# Altium PCB KS_DAP_WL.PcbDoc
Units mil, origin at the board's own origin, x right, y up, seen from the top; angles counter-clockwise.
Board outline 1739.76 x 1102.32 mil, 2 copper layers (Top Layer, Bottom Layer), stack 61.756 mil thick; 35 components, 47 nets, 173 pads, 177 vias.
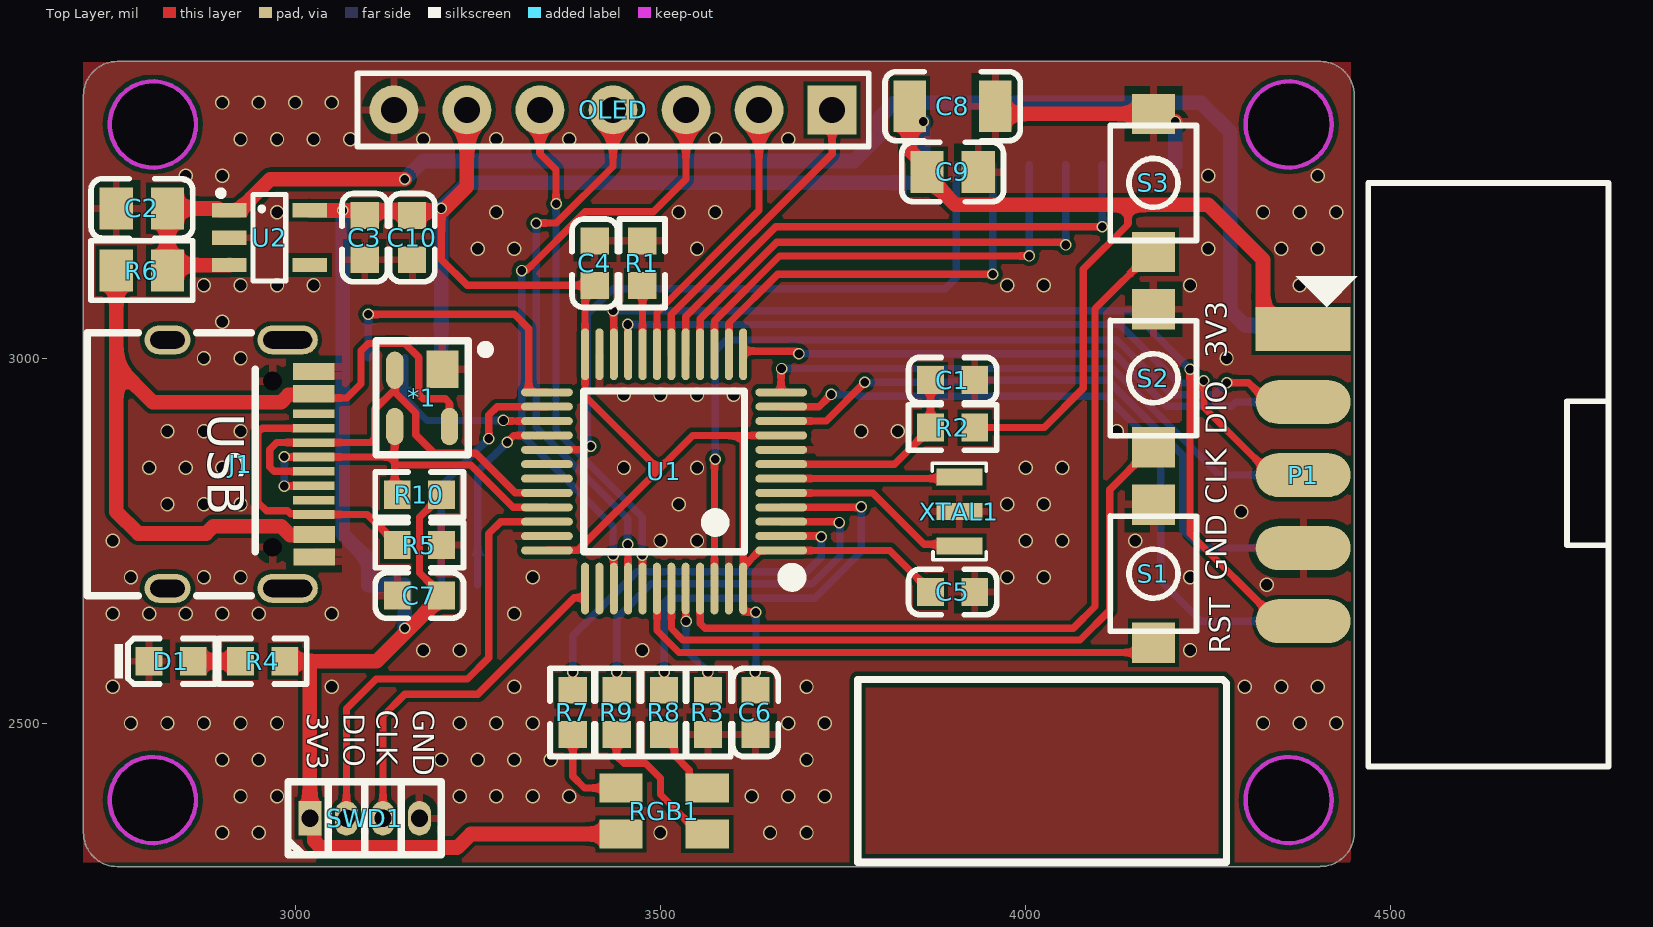
[diagram p0: Top Layer view]
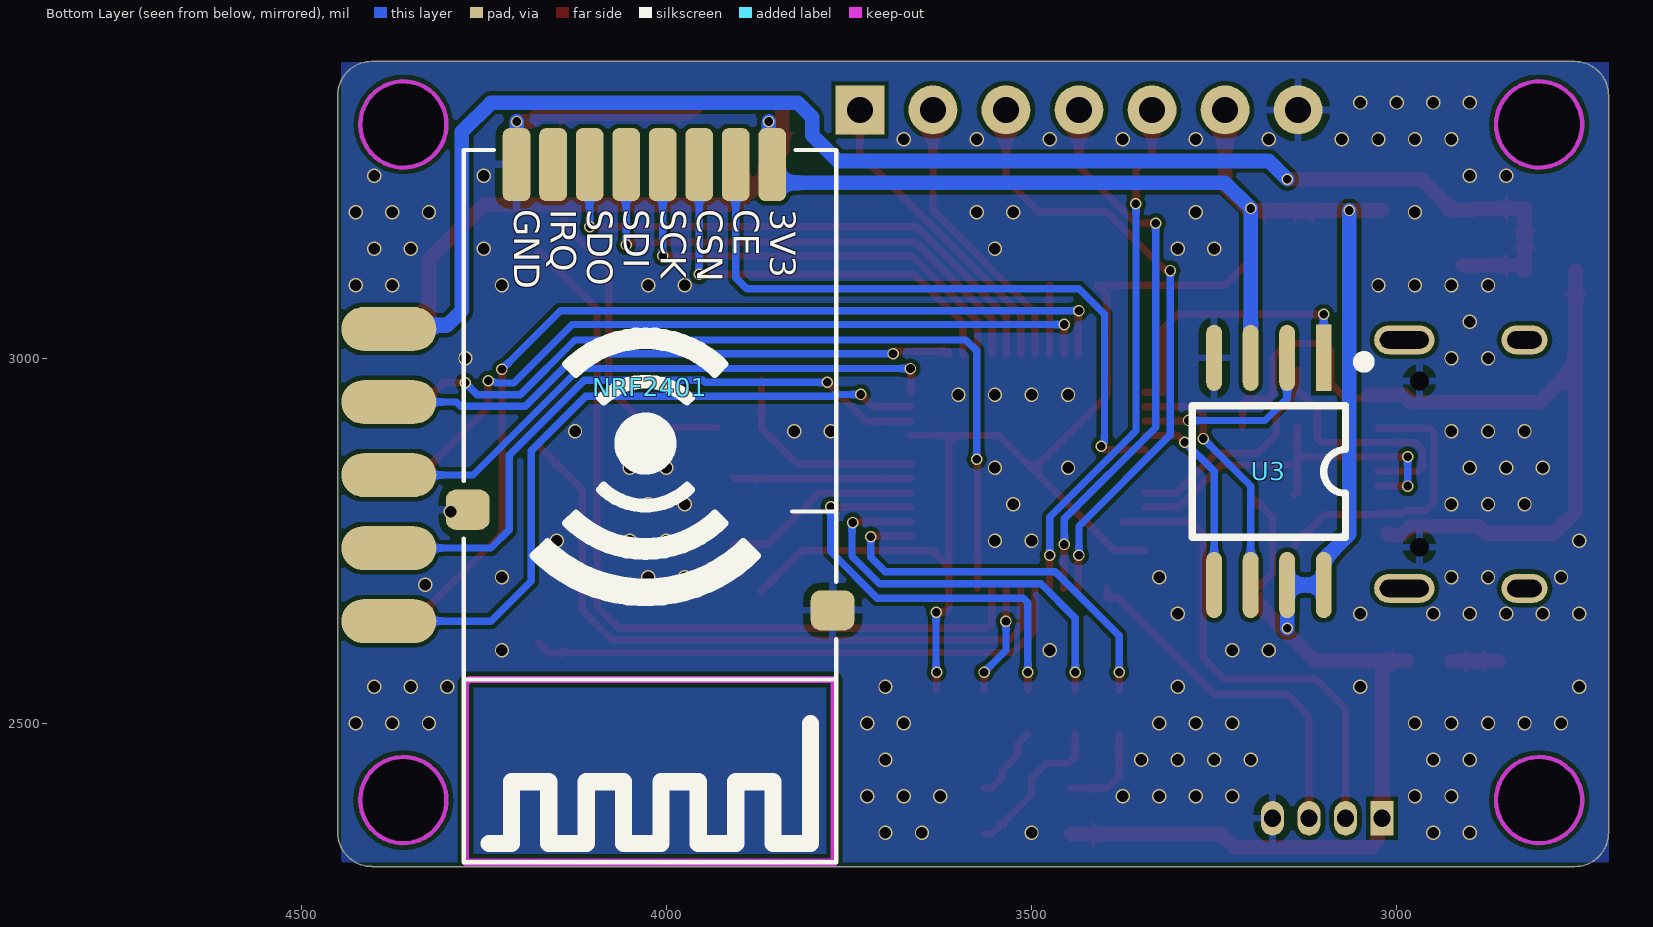
[diagram p1: Bottom Layer view, seen from below]

## Layer stack, top to bottom
Top Solder: solder mask 1, SM-001, Dk 4
Top Layer: signal copper 1.378
Dielectric 1: core 59, Core-043, Dk 4.3
Bottom Layer: signal copper 1.378
Bottom Solder: solder mask 1, SM-001, Dk 4

## Board outline
2710,2350 ccw(c2756.08,2350) 2756.08,2303.92 4403.53,2303.92 4403.68,2304.08 ccw(c4403.68,2350.16) 4449.76,2350.16 4449.76,3360.16 ccw(c4403.68,3360.16) 4403.68,3406.24 2756.08,3406.24 ccw(c2756.08,3360.16) 2710,3360.16
cut-out: 2805,3260.94 cw(c2805,3320) 2745.94,3320 cw(c2805,3320) 2805,3379.06 cw(c2805,3320) 2864.06,3320 cw(c2805,3320)
cut-out: 4300.94,3320 ccw(c4360,3320) 4360,3260.94 ccw(c4360,3320) 4419.06,3320 ccw(c4360,3320) 4360,3379.06 ccw(c4360,3320)
cut-out: 4300.94,2395 ccw(c4360,2395) 4360,2335.94 ccw(c4360,2395) 4419.06,2395 ccw(c4360,2395) 4360,2454.06 ccw(c4360,2395)
cut-out: 2745.94,2395 ccw(c2805,2395) 2805,2335.94 ccw(c2805,2395) 2864.06,2395 ccw(c2805,2395) 2805,2454.06 ccw(c2805,2395)

## Design rules (kind name [scope] priority, off if disabled: settings)
Clearance [All] p1: gap=6 ignorepadtopadclearanceinfootprint=FALSE
PolygonConnect [All] p1: connectstyle=Relief reliefconductorwidth=10 reliefentries=4 polygonreliefangle="90 Angle" airgapwidth=10
RoutingVias [All] p1: holewidth=11.81 width=15.75 viastyle="Through Hole" minholewidth=11.81 minwidth=15.75 maxholewidth=11.81 maxwidth=15.75
SolderMaskExpansion [All] p1: expansion=4 istentingtop=FALSE
Width [All] p1: maxlimit=20 minlimit=6 preferedwidth=20
30 further rules are at their usual default settings.

## Components (designator, comment, footprint, x,y, rotation, side; value= is the part's Value field where it differs from the comment)
*1 "PRTR5V0U2X" LC-SOT-143 3173.62,2945.73 r90 top
C1 "106" 0603_C 3900,2970 r180 top
C2 "106" 0805_C 2790,3205 r0 top
C3 "106" 0603_C 3095,3165 r90 top value=104
C4 "106" 0603_C 3410,3130 r270 top value=104
C5 "106" 0603_C 3900,2680 r180 top value=104
C6 "106" 0603_C 3630,2515 r90 top value=104
C7 "106" 0603_C 3170,2675 r0 top value=104
C8 "106" 1206_C 3900,3345 r0 top
C9 "106" 0805_C 3900,3255 r0 top
C10 "106" 0603_C 3160,3165 r90 top
D1 "白灯 0603" 0603_LED_S1 2830,2585 r0 top
J1 "USB type C" "USB Type-C-16Pin_A" 2825,2854.92 r270 top
NRF2401 "nRF24L01P_PA_LNA" NRF24L01P_PA_LNA 4205,3265 r270 bottom
OLED "Header 7" HDR2.54-LI-7P 3435,3340 r180 top
P1 "Header 5X2" "300S-2*5P 2.54MM_2" 4380,3040 r0 top
R1 "Res2" 0603_R 3475,3130 r90 top value=10K
R2 "Res2" 0603_R 3900,2905 r0 top value=10K
R3 "Res2" 0603_R 3565,2515 r270 top value=10K
R4 "Res2" 0603_R 2955.31,2585 r0 top value=1K
R5 "10K" 0603_R 3170,2744.03 r0 top
R6 "1A保险丝" 0805_L 2790,3120 r180 top value=1000MA
R7 "1K" 0603_R 3380,2515 r270 top value=300R
R8 "1K" 0603_R 3505,2515 r270 top value=300R
R9 "1K" 0603_R 3440,2515 r90 top value=300R
R10 "Res2" LC-0603_R 3170,2813.06 r180 top value=1.5K
RGB1 "RGB_LED" LED_3528_RGB 3505,2380 r180 top
S1 "RST" KEY_1 4175,2705 r270 top
S2 "RST" KEY_1 4175,2972.5 r270 top
S3 "RST" KEY_1 4175,3240 r270 top
SWD1 "Header 4" HDR1.27-LI-4P 3095,2370 r0 top
U1 "STM32F103C" "LQFP48 7X7_N" 3505,2845 r90 top
U2 "MIC5219" SOT23-5N 2965,3165 r270 top
U3 "W25QXX" SOP8W_N 3175,2845 r270 bottom
XTAL1 "8M" XTAL-3215-3P 3909.12,2790 r90 top

## Footprints (in the part's own frame and the unit in brackets; to place one, negate y for a bottom-side part, rotate by r counter-clockwise, add the part's x,y. Pads: shape width x height; smd on the part's side, far side on the other; paste and mask are expansions set on the pad)
"300S-2*5P 2.54MM_2" [mil] "2.54mm 2*5P 直 简牛"
  rect 130x60 smd: 1(0,0)
  oval 130x60 smd far side: 2(0,0) 4(0,-100) 6(0,-200) 8(0,-300) 10(0,-400)
  oval 130x60 smd: 3(0,-100) 5(0,-200) 7(0,-300) 9(0,-400)
  silkscreen extent -10,-599 418,200, body extent -50,-604 426,204, height 169
0603_C [mm]
  rect 0.93x0.98 smd: 1(-0.77,0) 2(0.77,0)
  silkscreen extent -1.53,-0.79 1.54,0.79, body extent -0.8,-0.4 0.8,0.4, height 0.3
0603_LED_S1 [mm]
  rect 0.93x0.98 smd: A(0.77,0) K(-0.77,0)
  silkscreen extent -1.97,-0.79 1.54,0.79, body extent -0.8,-0.4 0.8,0.4, height 0.6
0603_R [mm]
  rect 0.93x0.98 smd: 1(-0.77,0) 2(0.77,0)
  silkscreen extent -1.53,-0.79 1.54,0.79, body extent -0.85,-0.4 0.85,0.4, height 0.56
0805_C [mm]
  rect 1.16x1.47 smd: 1(-0.89,0) 2(0.89,0)
  silkscreen extent -1.77,-1.04 1.77,1.04, body extent -1,-0.62 1,0.63, height 0.77
0805_L [mm]
  rect 1.16x1.47 smd: 1(-0.89,0) 2(0.89,0)
  silkscreen extent -1.77,-1.04 1.77,1.03, body extent -1.02,-0.64 1.03,0.64, height 0.6
1206_C [mm]
  rect 1.13x1.8 smd: 1(-1.49,0) 2(1.49,0)
  silkscreen extent -2.36,-1.2 2.35,1.2, body extent -1.6,-0.81 1.6,0.79, height 1
HDR1.27-LI-4P [mm] "直插，脚距：1.27mm"
  rect 0.8x1.2 hole 0.6: 1(-1.905,0)
  oval 0.8x1.2 hole 0.6: 2(-0.635,0) 3(0.635,0) 4(1.905,0)
  silkscreen extent -2.67,-1.27 2.67,1.27, body extent -2.54,-1.24 2.54,1.16, height 4.48
HDR2.54-LI-7P [mm] "排针，8脚"
  rect 1.7x1.7 hole 0.9: 1(-7.62,0)
  round 1.7 hole 0.9: 2(-5.08,0) 3(-2.54,0) 4(0,0) 5(2.54,0) 6(5.08,0) 7(7.62,0)
  silkscreen extent -8.89,-1.27 8.89,1.27, body extent -8.89,-1.27 8.89,1.27, height 8.5
KEY_1 [mm]
  rect 1.4x1.5 smd: 1(-2.4,0) 2(2.4,0)
  silkscreen extent -2.01,-1.5 2,1.5, body extent -2.11,-1.28 1.89,1.22, height 1.6
LC-0603_R [mm]
  rect 0.93x0.98 smd: 1(-0.77,0) 2(0.77,0)
  silkscreen extent -1.53,-0.79 1.54,0.79, body extent -0.85,-0.4 0.85,0.4, height 0.56
LC-SOT-143 [mm]
  rect 1.3x1.1 smd: 1(1,-0.71)
  oval 1.3x0.6 smd: 2(0.96,0.95) 3(-1,0.95) 4(-1,-0.95)
  silkscreen extent -1.98,-2.35 1.98,1.6, body extent -1.23,-1.46 1.19,1.46, height 1
LED_3528_RGB [mm]
  rect 1.5x1 smd: 1(1.5,-0.8) 2(-1.5,-0.8) 3(-1.5,0.8) 4(1.5,0.8)
  body extent -1.79,-1.34 1.71,1.46, height 1.9
"LQFP48 7X7_N" [mm] "48脚，体宽7x7mm，脚距0.5mm"
  oval 0.279x1.8 smd: 1(-2.75,-4.075) 2(-2.25,-4.075) 3(-1.75,-4.075) 4(-1.25,-4.075) 5(-0.75,-4.075) 6(-0.25,-4.075) 7(0.25,-4.075) 8(0.75,-4.075) 9(1.25,-4.075) 10(1.75,-4.075) 11(2.25,-4.075) 12(2.75,-4.075) 25(2.75,4.075) 26(2.25,4.075) 27(1.75,4.075) 28(1.25,4.075) 29(0.75,4.075) 30(0.25,4.075) 31(-0.25,4.075) 32(-0.75,4.075) 33(-1.25,4.075) 34(-1.75,4.075) 35(-2.25,4.075) 36(-2.75,4.075)
  oval 1.8x0.279 smd: 13(4.075,-2.75) 14(4.075,-2.25) 15(4.075,-1.75) 16(4.075,-1.25) 17(4.075,-0.75) 18(4.075,-0.25) 19(4.075,0.25) 20(4.075,0.75) 21(4.075,1.25) 22(4.075,1.75) 23(4.075,2.25) 24(4.075,2.75) 37(-4.075,2.75) 38(-4.075,2.25) 39(-4.075,1.75) 40(-4.075,1.25) 41(-4.075,0.75) 42(-4.075,0.25) 43(-4.075,-0.25) 44(-4.075,-0.75) 45(-4.075,-1.25) 46(-4.075,-1.75) 47(-4.075,-2.25) 48(-4.075,-2.75)
  silkscreen extent -3.93,-4.69 2.79,2.79, body extent -4.5,-4.5 4.5,4.5, height 1.45
NRF24L01P_PA_LNA [mil]
  rrect50% 100x38 smd: 1(0,350) 2(0,300) 3(0,250) 4(0,200) 5(0,150) 6(0,100) 7(0,50) 8(0,0)
  rrect50% 55x60 smd: 8(472.44,-66.93) 8(610.24,432.68)
  silkscreen extent -20,-73 955,437, body extent -15,-68 950,432, height 46
SOP8W_N [mm] "5.3*8.3*1.8mm（长宽高）"
  rect 2.3x0.55 smd: 1(-3.95,1.905)
  oval 2.3x0.55 smd: 2(-3.95,0.635) 3(-3.95,-0.635) 4(-3.95,-1.905) 5(3.95,-1.905) 6(3.95,-0.635) 7(3.95,0.635) 8(3.95,1.905)
  silkscreen extent -3.94,-2.67 2.29,3.43, body extent -3.94,-2.64 3.94,2.64, height 1.9
SOT23-5N [mm] "3x1.6x1.1mm(长宽高)"
  rect 0.5x1.2 smd: 1(-0.95,-1.4) 2(0,-1.4) 3(0.95,-1.4) 4(0.95,1.4) 5(-0.95,1.4)
  silkscreen extent -1.63,-1.78 1.5,0.56, body extent -1.5,-1.4 1.5,1.4, height 1.15
"USB Type-C-16Pin_A" [mm]
  round 0 hole 0.65: 0(-2.89,3.65) 0(2.89,3.65)
  oval 1x2.1 hole 0.6 slot 1.7 at 90 deg: 1(-4.32,4.18) 1(4.32,4.18)
  oval 1x1.6 hole 0.6 slot 1.2 at 90 deg: 1(-4.32,0) 1(4.32,0)
  rect 0.3x1.45 smd: A1(-3.375,5.092) A4(-2.6,5.092) A5(-1.25,5.092) A6(-0.25,5.092) A7(0.25,5.092) A8(-1.75,5.092) A9(2.6,5.1) A12(3.375,5.1) B1(3.075,5.1) B4(2.3,5.1) B5(1.75,5.092) B6(0.75,5.092) B7(-0.75,5.092) B8(1.25,5.092) B9(-2.3,5.092) B12(-3.075,5.092)
  silkscreen extent -4.57,-2.79 4.57,3.05, body extent -4.47,-2.6 4.47,5.3, height 3.25
XTAL-3215-3P [mm]
  rect 0.6x1.6 smd: 1(-1.2,0) 2(0,0) 3(1.2,0)
  silkscreen extent -1.68,-0.94 1.68,0.94, body extent -1.6,-0.74 1.6,0.76, height 0.9

## Part data
C1 C2 C3 C4 C5 C6 C7 C8 C9 C10: library part C_1
D1: library part "0603 白灯", "发光二极管", Package=0603, SuppliersPartNumber=C2290, ComponentLink1Description=供应商链接, ComponentLink1URL=http://www.szlcsc.com/product/details_2663.html, Supplier=LC
J1: library part USB_C
NRF2401: "Module"
OLED: "Header, 7-Pin", LatestRevisionDate=17-Jul-2002, LatestRevisionNote="Re-released for DXP Platform.", Publisher="Altium Limited"
P1: "Header, 5-Pin, Dual row", LatestRevisionDate=17-Jul-2002, LatestRevisionNote="Re-released for DXP Platform.", Publisher="Altium Limited"
R1 R2 R3 R4 R10: "Resistor", LatestRevisionDate=17-Jul-2002, LatestRevisionNote="Re-released for DXP Platform.", PackageReference=AXIAL-0.4, Published=8-Jun-2000, Publisher="Altium Limited"
R5 R6 R7 R8 R9: library part Res2, "Resistor", LatestRevisionDate=17-Jul-2002, LatestRevisionNote="Re-released for DXP Platform.", PackageReference=AXIAL-0.4, Published=8-Jun-2000, Publisher="Altium Limited"
RGB1: "三色高亮LED"
S1 S2 S3: library part SW-PB, "Switch", LatestRevisionDate=17-Jul-2002, LatestRevisionNote="Re-released for DXP Platform.", PackageDescription="Switch; 2 Leads", PackageReference=SPST-2, Published=24-Mar-1999, Publisher="Altium Limited"
SWD1: "Header, 4-Pin", LatestRevisionDate=17-Jul-2002, LatestRevisionNote="Re-released for DXP Platform.", Publisher="Altium Limited"
U2: "3.3V 降压芯片"
U3: "SPI FLASH", Memory="16M bit"
XTAL1: library part XTAL1

## Via types
v1: diameter 19.68, hole 15.75, Top Layer to Bottom Layer, tented both sides, 134 vias
v2: diameter 15.75, hole 11.81, Top Layer to Bottom Layer, tented both sides, 43 vias

## Nets (pads, with @x,y where several pads share a name; then routed paths per layer and width w, separated by ;. In a path a pad name is that pad's centre, name@x,y a point inside that pad or via, vN(x,y) a via of type N, cw(c..) or ccw(c..) an arc to the next point about the centre after c; other vN are vias at no path point)
3V3: C3.2 C4.2 C5.2 C6.2 C7.2 C8.1 C9.1 C10.2 NRF2401.1 OLED.6 P1.1 R2.2 R4.2 R10.1 RGB1.4 SWD1.1 U1.1 U1.9 U1.24 U1.36 U1.48 U2.5 U3.3 U3.7 U3.8 | length 5856.2
  Top Layer w10: v2(3200,3205) 3200,3202.24 3200,3135 3235.32,3099.68 C4.2 3396.73,3086.42 U1.24 3396.73,2948.27 3497.5,2847.5 ; C7.2 3200.32,2675.98 3170,2706.3 3170,2782.05 3186.72,2798.77 3187.01,2798.77 3200.32,2812.07 R10.1 ; U1.36 3344.74,2736.92 3386.92,2736.92 3497.5,2847.5 ; C6.2 v2(3630,2570) ; v2(3630.68,2652) 3617.83,2652 3613.27,2656.56 U1.48 U1.48@3613.27,2714.48 ; U1.9 3604.83,2894.21 ; C5.2 3869.68,2680.98 3813.94,2736.73 U1.1 3635.52,2736.73 U1.48@3613.27,2714.48 ; R2.2 4025.23,2905 4079,2958.77 4079,3122.15 4140,3183.15 4140,3210 ; 3497.5,2847.5 3544.21,2894.21 3604.83,2894.21 ; 3604.83,2894.21 3613.27,2885.78 U1.48@3613.27,2714.48
  Top Layer w20: R4.2 3025,2585 ; U2.5 3020.28,3202.24 v2(3065,3202.24) v2@3200,3202.24 ; C7.2 3200.32,2674.02 3111.3,2585 3025,2585 ; v2@3202.5,3202.5 3235,3235 OLED.6 ; RGB1.4 3239.96,2348.5 3221.46,2330 3035,2330 3025.75,2339.25 3025.75,2364.25 SWD1.1 3020,2580 3025,2585 ; C8.1 3841.34,3284.72 3864.96,3261.1 C9.1 3864.96,3248.9 3903.86,3210 4140,3210 4250,3210 4325,3135 4325,3060 4345,3040 P1.1
  Bottom Layer w10: v2(3630,2570) 3630.68,2570.68 v2(3630.68,2652)
  Bottom Layer w20: v2(3065,3202.24) 3065,2758.94 3100,2723.94 U3.8 U3.7 v2(3150,2630) ; U3.3 v2(3200,3205) 3235.2,3240.2 3846,3240.2 3855,3249.2 NRF2401.1 3860,3270 v2(3860,3324)
5V: C2.2 P1.2 R6.1 U2.1 U2.3 | length 2076.7
  Top Layer w20: U2.3 2909.72,3127.44 2832.48,3127.44 R6.1 C2.2 2893.82,3205 2896.42,3202.4 U2.1 2923.35,3202.4 2965.95,3245 v2(3150,3245)
  Bottom Layer w20: v2(3150,3245) 3175,3270 3765,3270 3800,3305 3800,3330 3820,3350 4240,3350 4280,3310 4280,3065 4300,3045 4375,3045 P1.2
5V_IN: *1.4 J1.A4 J1.A9 J1.B4 J1.B9 R6.2 | length 1258.3
  Top Layer w10: J1.B9 3039.02,2945.48 3070.48,2945.48 3090,2965 3090,3010 3100,3020 3122.77,3020 3122.89,3020.12 3149.88,3020.12 3168.92,3001.08 3168.92,2950.24 3174.78,2944.38 3205.17,2944.38 3211.02,2938.52 *1.4
  Top Layer w20: R6.2 2754.96,2990.04 ; J1.B4@3012.75,2760.28 3009.81,2757.33 2993.24,2757.33 2980.62,2769.94 2887.78,2769.94 2877.84,2760 2785,2760 2754.96,2790.04 2754.96,2990.04 ; J1.B9@3039.02,2950 3025.47,2950 2990.71,2950 2980.62,2939.91 2805.09,2939.91 2754.96,2990.04
cc1: J1.A5 J1.B5 R5.1 | length 390.3
  Top Layer w10: J1.A5 2954.8,2904.14 2948.94,2898.28 2948.94,2802.45 2960.45,2790.94 2989.32,2790.94 2993.33,2786.94 3024.56,2786.94 J1.B5 3098.67,2786.03 3139.69,2745.01 R5.1
CLK: SWD1.3 U1.37 | length 496.1
  Top Layer w10: SWD1.3 3120,2510 3149.85,2539.85 3249.85,2539.85 3382.09,2672.09 3396.27,2672.09 3396.73,2672.55 U1.37
DIO: SWD1.2 U1.34 | length 660.4
  Top Layer w10: SWD1.2 3070,2520 3110.66,2560.66 3235.66,2560.66 3265,2590 3265,2760 3281.1,2776.1 U1.34 U1.34@3374.76,2776.1
GND: *1.1 C1.1 C2.1 C3.1 C4.1 C5.1 C6.1 C7.1 C8.2 C9.2 C10.1 D1.K J1.0 J1.A1 J1.A12 J1.B1 J1.B12 NRF2401.8 OLED.7 P1.7 R1.2 R3.2 R5.2 S1.1 S2.1 S3.1 SWD1.4 U1.8 U1.23 U1.35 U1.47 U2.2 U3.4 XTAL1.2 | length 314
  Top Layer w20: C8.2 3969.17,3334.49 S3.1 4185.49,3324 v2(4205,3324)
  Bottom Layer w20: NRF2401.8@4205,3265 v2(4205,3324)
  other v1: 2900,2350 2950,2350 3500,2350 3650,2350 3700,2350 2925,2400 2975,2400 3225,2400 3275,2400 3325,2400 3375,2400 3625,2400 3675,2400 3725,2400 2900,2450 2950,2450 3200,2450 3250,2450 3300,2450 3350,2450 3700,2450 2775,2500 2825,2500 2875,2500 2925,2500 2975,2500 3225,2500 3275,2500 3325,2500 3675,2500 3725,2500 4325,2500 4375,2500 4425,2500 2750,2550 3050,2550 3300,2550 3700,2550 4300,2550 4350,2550 4400,2550 3175,2600 3225,2600 3475,2600 4225,2600 2750,2650 2800,2650 2850,2650 2900,2650 2950,2650 3050,2650 3300,2650 4330,2690 2775,2700 2875,2700 2925,2700 3325,2700 3975,2700 4025,2700 4225,2700 2750,2750 3500,2750 3550,2750 4000,2750 4050,2750 4150,2750 4295,2790 2825,2800 2875,2800 2925,2800 3525,2800 3975,2800 4025,2800 2800,2850 2850,2850 2900,2850 3450,2850 3550,2850 4000,2850 4050,2850 2825,2900 2875,2900 2925,2900 3775,2900 3825,2900 4125,2900 3450,2950 3500,2950 3550,2950 3600,2950 2875,3000 2925,3000 4275,3000 2900,3050 2875,3100 2925,3100 2975,3100 3025,3100 3975,3100 4025,3100 4225,3100 4375,3100 4425,3100 3250,3150 3300,3150 3550,3150 4250,3150 4350,3150 4400,3150 2975,3200 3275,3200 3525,3200 3575,3200 4325,3200 4375,3200 4425,3200 2850,3250 2900,3250 4250,3250 4400,3250 2925,3300 2975,3300 3025,3300 3075,3300 3175,3300 3275,3300 3375,3300 3475,3300 3575,3300 3675,3300 2900,3350 2950,3350 3000,3350 3050,3350
KEY1: S1.2 U1.42 | length 755.4
  Top Layer w10: U1.42 3495.16,2627.16 3525.38,2596.94 4161.43,2596.94 S1.2
KEY2: S2.2 U1.43 | length 927.1
  Top Layer w10: U1.43 3515.03,2684.36 3515.03,2629.91 3530.69,2614.26 4074.26,2614.26 4115,2655 4115,2819.98 4173.03,2878.01 S2.2
KEY3: S3.2 U1.45 | length 1123.3
  Top Layer w10: U1.45 3554.4,2684.36 3554.4,2636.71 3560.86,2630.26 4065.26,2630.26 4095,2660 4095,3067.48 4173.03,3145.51 S3.2
LCD_CS: OLED.1 U1.18 | length 425.7
  Top Layer w10: U1.18 3514.84,3059.73 3735,3279.88 OLED.1
LCD_D0: OLED.5 U1.41 | length 713.6
  Top Layer w10: OLED.5 3335,3280 3357.05,3257.95 v2(3357.05,3211.26) ; v2(3475,2730) 3475.47,2729.53 U1.41
  Bottom Layer w10: v2(3357.05,3211.26) 3357.05,2900.58 3475,2782.63 v2(3475,2730)
LCD_D1: OLED.4 U1.40 | length 767.1
  Top Layer w10: v2(3330,3185) 3357.48,3185 3435,3262.52 OLED.4 ; v2(3455,2745) 3455.6,2744.4 3455.6,2684.74 U1.40
  Bottom Layer w10: v2(3330,3185) 3330,2905 3455,2780 v2(3455,2745)
LCD_DC: OLED.2 U1.19 | length 392.5
  Top Layer w10: U1.19 3495.16,3062.67 3635,3202.51 OLED.2
LCD_RES: OLED.3 U1.39 | length 859.5
  Top Layer w10: v2(3310,3120) 3316.53,3120 3397.03,3200.5 3490.5,3200.5 3535,3245 OLED.3 ; v2(3435,2730) 3435.91,2729.09 3435.91,2684.74 U1.39
  Bottom Layer w10: v2(3310,3120) 3310,2895 3435,2770 v2(3435,2730)
"LED G": R8.1 U1.4 | length 590.3
  Top Layer w10: R8.1 v2(3505,2570) ; U1.4 3771.31,2795.79 3772.13,2796.6 v2(3775,2796.6)
  Bottom Layer w10: v2(3505,2570) 3505,2665.5 3510.86,2671.36 3711.01,2671.36 3775,2735.35 v2(3775,2796.6)
"LED R": R9.2 U1.3 | length 566.2
  Top Layer w10: R9.2 v2(3440,2570) ; U1.3 3743.9,2776.1 v2(3745,2775)
  Bottom Layer w10: v2(3440,2570) 3440,2644 3487.06,2691.06 3708.08,2691.06 3745.86,2728.83 3745.86,2774.14 v2(3745,2775)
LED_DAP: R7.1 U1.2 | length 542.4
  Top Layer w10: R7.1 v2(3380,2570) ; U1.2 3719.19,2756.42 v2(3720,2755.61)
  Bottom Layer w10: v2(3380,2570) 3380,2620 3467.51,2707.51 3700.27,2707.51 3720,2727.24 v2(3720,2755.61)
NetD1_A: D1.A R4.1 | length 64.7
  Top Layer w20: D1.A R4.1
NetR1_1: R1.1 U1.20 | length 94.4
  Top Layer w10: R1.1 3475.47,3099.21 U1.20
NetR3_1: R3.1 U1.44 | length 151.9
  Top Layer w10: U1.44 3534.72,2684.36 3534.72,2640.28 v2(3535,2640) ; R3.1 v2(3565,2570)
  Bottom Layer w10: v2(3535,2640) 3535,2600 v2(3565,2570)
NetR7_2: R7.2 RGB1.1 | length 129.8
  Top Layer w10: R7.2 3380,2427.43 3395.93,2411.5 RGB1.1
NetR8_2: R8.2 RGB1.2 | length 104
  Top Layer w10: R8.2 3505.98,2484.68 3519.29,2471.38 3519.29,2456.26 3539.53,2436.02 3539.53,2426.18 3554.21,2411.5 RGB1.2
NetR9_1: R9.1 RGB1.3 | length 210.9
  Top Layer w10: R9.1 3440,2455 3450,2445 3480,2445 3500,2425 3500,2402.72 3554.21,2348.5 RGB1.3
NRF_CE: NRF2401.2 U1.29 | length 925.2
  Top Layer w10: U1.29 3397.97,2874.53 3403.1,2879.66 v2(3404.66,2879.66)
  Bottom Layer w10: v2(3404.66,2879.66) 3400,2884.32 3400,3060 3435,3095 3890,3095 3905,3110 NRF2401.2
NRF_CSN: NRF2401.3 U1.14 | length 581.7
  Top Layer w10: U1.14 3593.77,3005.64 3593.77,3048.15 3660.63,3115 v2(3955,3115)
  Bottom Layer w10: v2(3955,3115) NRF2401.3
NRF_MISO: NRF2401.5 U1.16 | length 704.3
  Top Layer w10: U1.16 3554.4,3005.64 3554.4,3054.03 3659.24,3158.87 4051.13,3158.87 v2(4055,3155)
  Bottom Layer w10: v2(4055,3155) NRF2401.5
NRF_MOSI: NRF2401.6 U1.17 | length 757.8
  Top Layer w10: U1.17 3534.72,3005.64 3534.72,3056.98 3657.74,3180 v2(4105,3180)
  Bottom Layer w10: v2(4105,3180) NRF2401.6
NRF_SCK: NRF2401.4 U1.15 | length 638.5
  Top Layer w10: U1.15 3574.09,3005.64 3574.09,3051.09 3663,3140 v2(4005,3140)
  Bottom Layer w10: v2(4005,3140) NRF2401.4
OSC1: U1.5 XTAL1.1 | length 273.8
  Top Layer w10: U1.5 3790.59,2815.47 3855,2751.06 3860.86,2745.2 3906.67,2745.2 XTAL1.1
OSC2: U1.6 XTAL1.3 | length 244.5
  Top Layer w10: U1.6 3665.64,2835.35 3907.22,2835.35 XTAL1.3
RST: C1.2 R2.1 U1.7 | length 290.6
  Top Layer w10: U1.7 3820.51,2854.84 3869.69,2904.02 R2.1 C1.2
SPI2_MISO: U1.27 U3.2 | length 262.9
  Top Layer w10: v2(3285,2914.71) 3285.62,2914.09 3344.36,2914.09 U1.27
  Bottom Layer w10: U3.2 3150,2945 3180.29,2914.71 v2(3285,2914.71)
SPI2_MOSI: U1.28 U3.5 | length 270.4
  Top Layer w10: v2(3290,2885) 3299.21,2894.21 U1.28
  Bottom Layer w10: U3.5 3250,2845 v2(3290,2885)
SPI2_SCK: U1.26 U3.6 | length 343.9
  Top Layer w10: v2(3265,2890) 3265,2922.17 3276.42,2933.58 U1.26
  Bottom Layer w10: U3.6 3200,2825 v2(3265,2890)
SWCLK: P1.5 U1.21 | length 1075.1
  Top Layer w10: v2(3455,3046.13) 3455.6,3045.53 3455.6,3005.64 U1.21 ; v2(4244.04,2968.87) 4244.04,2932.52 4336.56,2840 P1.5
  Bottom Layer w10: v2(3455,3046.13) 4128.87,3046.13 4209,2966 4232.69,2966 4234.47,2967.77 4242.94,2967.77 v2(4244.04,2968.87)
SWDIO: P1.3 U1.46 | length 1185.9
  Top Layer w10: U1.46 3573.9,2860.46 v2(3575.03,2861.6) ; v2(4275.45,2966.38) 4305.09,2966.38 4331.47,2940 P1.3
  Bottom Layer w10: v2(3575.03,2861.6) 3575.03,3010.03 3590,3025 4124.91,3025 4199.91,2950 4259.08,2950 v2(4275.45,2966.38)
TDI: P1.8 U1.10 | length 892.7
  Top Layer w10: U1.10 3726.77,2913.9 v2(3779.79,2966.93)
  Bottom Layer w10: v2(3779.79,2966.93) 3946.84,2966.93 3949.71,2969.8 4112.23,2969.8 4215,2867.03 4215,2765 4240,2740 P1.8
TDO: P1.10 U1.11 | length 954.5
  Top Layer w10: U1.11 3716.9,2933.58 v2(3733.66,2950.34)
  Bottom Layer w10: v2(3733.66,2950.34) 3769.69,2950.34 3771.98,2948.05 4110.26,2948.05 4185,2873.31 4185,2695 4240,2640 P1.10
TRST: P1.9 U1.22 | length 1312.9
  Top Layer w10: v2(3435,3065) 3436.1,3063.9 U1.22 ; v2(4225,2985) 4225,2760 4345,2640 P1.9
  Bottom Layer w10: v2(3435,3065) 4145,3065 v2(4225,2985)
USART1_RX: U1.31
USART1_TX: U1.30
USART2_RX: P1.4 U1.13 | length 804.6
  Top Layer w10: U1.13 3613.27,3009.25 3613.73,3009.71 3686.03,3009.71 v2(3689.61,3006.13)
  Bottom Layer w10: v2(3689.61,3006.13) 4121.16,3006.13 4193.28,2934 4281.63,2934 4287.63,2940 P1.4
USART2_TX: P1.6 U1.12 | length 807.7
  Top Layer w10: U1.12 3665,2953.72 3665,2985.09 v2(3665.71,2985.8)
  Bottom Layer w10: v2(3665.71,2985.8) 4118.86,2985.8 4264.66,2840 P1.6
USB_DM: *1.2 J1.A7 J1.B7 U1.32 | length 626.7
  Top Layer w10: J1.A7 2970.86,2845.09 2965,2850.94 2965,2875 2974.46,2884.46 J1.B7 3103.11,2884.46 3108.97,2890.31 3108.97,2929.89 3136.22,2957.14 ; *1.2@3136.22,2970.12 *1.2 ; *1.2@3137.22,2968.9 3137.22,2952.83 3165,2925.05 3165,2895 3190.23,2869.77 3246.94,2869.77 3301.05,2815.66 3344.36,2815.66 U1.32
USB_DP: *1.3 J1.A6 J1.B6 R10.2 U1.33 | length 559.1
  Top Layer w10: v2(2985,2825) 2985.2,2825.2 3025.27,2825.2 J1.B6 ; v2(2985,2865) 2985.23,2864.77 J1.A6 3136.22,2864.77 ; *1.3 3136.22,2864.77 ; R10.2 3136.22,2816.52 3136.22,2853.58 ; U1.33 3344.36,2795.98 3298.11,2795.98 3240.32,2853.77 3136.42,2853.77 3136.22,2853.58 ; 3136.22,2853.58 3136.22,2864.77
  Bottom Layer w10: v2(2985,2825) v2(2985,2865)
W25Q_CS: U1.25 U3.1 | length 399
  Top Layer w10: v2(3100,3060) 3300,3060 3319.62,3040.38 3319.62,2953.73 3320.08,2953.27 U1.25
  Bottom Layer w10: U3.1 v2(3100,3060)
pads on no net: J1.1 J1.A8 J1.B8 NRF2401.7 U1.38 U2.4

## Polygon pours and split planes (outlines as drawn)
GND on Top Layer "GND_L01_P000" (solid, pour order 0): 2710,3405 4445,3405 4445,2315 4450,2310 2710,2310
GND on Bottom Layer "GND_L02_P001" (solid, pour order 1): 2710,3405 4445,3405 4445,2315 4450,2310 2710,2310

## Keep-outs
Keep-Out Layer:
  circle w6: c2805,3320 r59.06
  circle w6: c4360,3320 r59.06
  circle w6: c4360,2395 r59.06
  circle w6: c2805,2395 r59.06
  lines w10: 3770,2310 3770,2560 4270,2560 4275,2555 4275,2310 3770,2310

## Silkscreen, mask and mechanical layers (free items; w line width, h text height)
Top Overlay:
  lines w10: 3770,2310 3770,2560 4270,2560 4275,2555 4275,2310 3770,2310
  text "3V3" at 4285,3000 h50 r90
  text "DIO" at 4285,2895 h50 r90
  text "CLK" at 4285,2800 h50 r90
  text "GND" at 4285,2695 h50 r90
  text "RST" at 4290,2595 h50 r90
  text "CLK" at 3102,2519 h50 r270
  text "GND" at 3152,2519 h50 r270
  text "3V3" at 3007,2514 h50 r270
  text "DIO" at 3057,2514 h50 r270
Mechanical 1:
  lines w10: 4403.53,2303.92 2756.08,2303.92 cw(c2756.08,2350) 2710,2350 2710,3360.16 cw(c2756.08,3360.16) 2756.08,3406.24 4403.68,3406.24 cw(c4403.68,3360.16) 4449.76,3360.16 4449.76,2350.16 cw(c4403.68,2350.16) 4403.68,2304.08

## Text inside footprints (layer, text, board x,y; h text height)
J1: Top Overlay "USB" at 2880,2924.92 h50 r270
NRF2401: Bottom Overlay "CE" at 3919.6,3204 h60 r90; Bottom Overlay "3V3" at 3869.6,3204 h60 r90; Bottom Overlay "CSN" at 3969.6,3204 h60 r90; Bottom Overlay "SCK" at 4019.6,3204 h60 r90; Bottom Overlay "SDI" at 4069.6,3204 h60 r90; Bottom Overlay "SDO" at 4119.6,3204 h60 r90; Bottom Overlay "IRQ" at 4169.6,3204 h60 r90; Bottom Overlay "GND" at 4219.6,3204 h60 r90